# Altium PCB uTCA_MCH_PCB3.pcbdoc (part 15 of 25)
Units mil, origin at the board's own origin, x right, y up, seen from the top; angles counter-clockwise.
Board outline 7110.66 x 2894.12 mil, 12 copper layers (Top Layer, GND1, MidLayer1, PWR1, MidLayer2, GND2, PWR2, MidLayer3, GND3, MidLayer4, PWR3, Bottom Layer), stack 63.15 mil thick; 767 components, 905 nets, 4553 pads, 2832 vias.
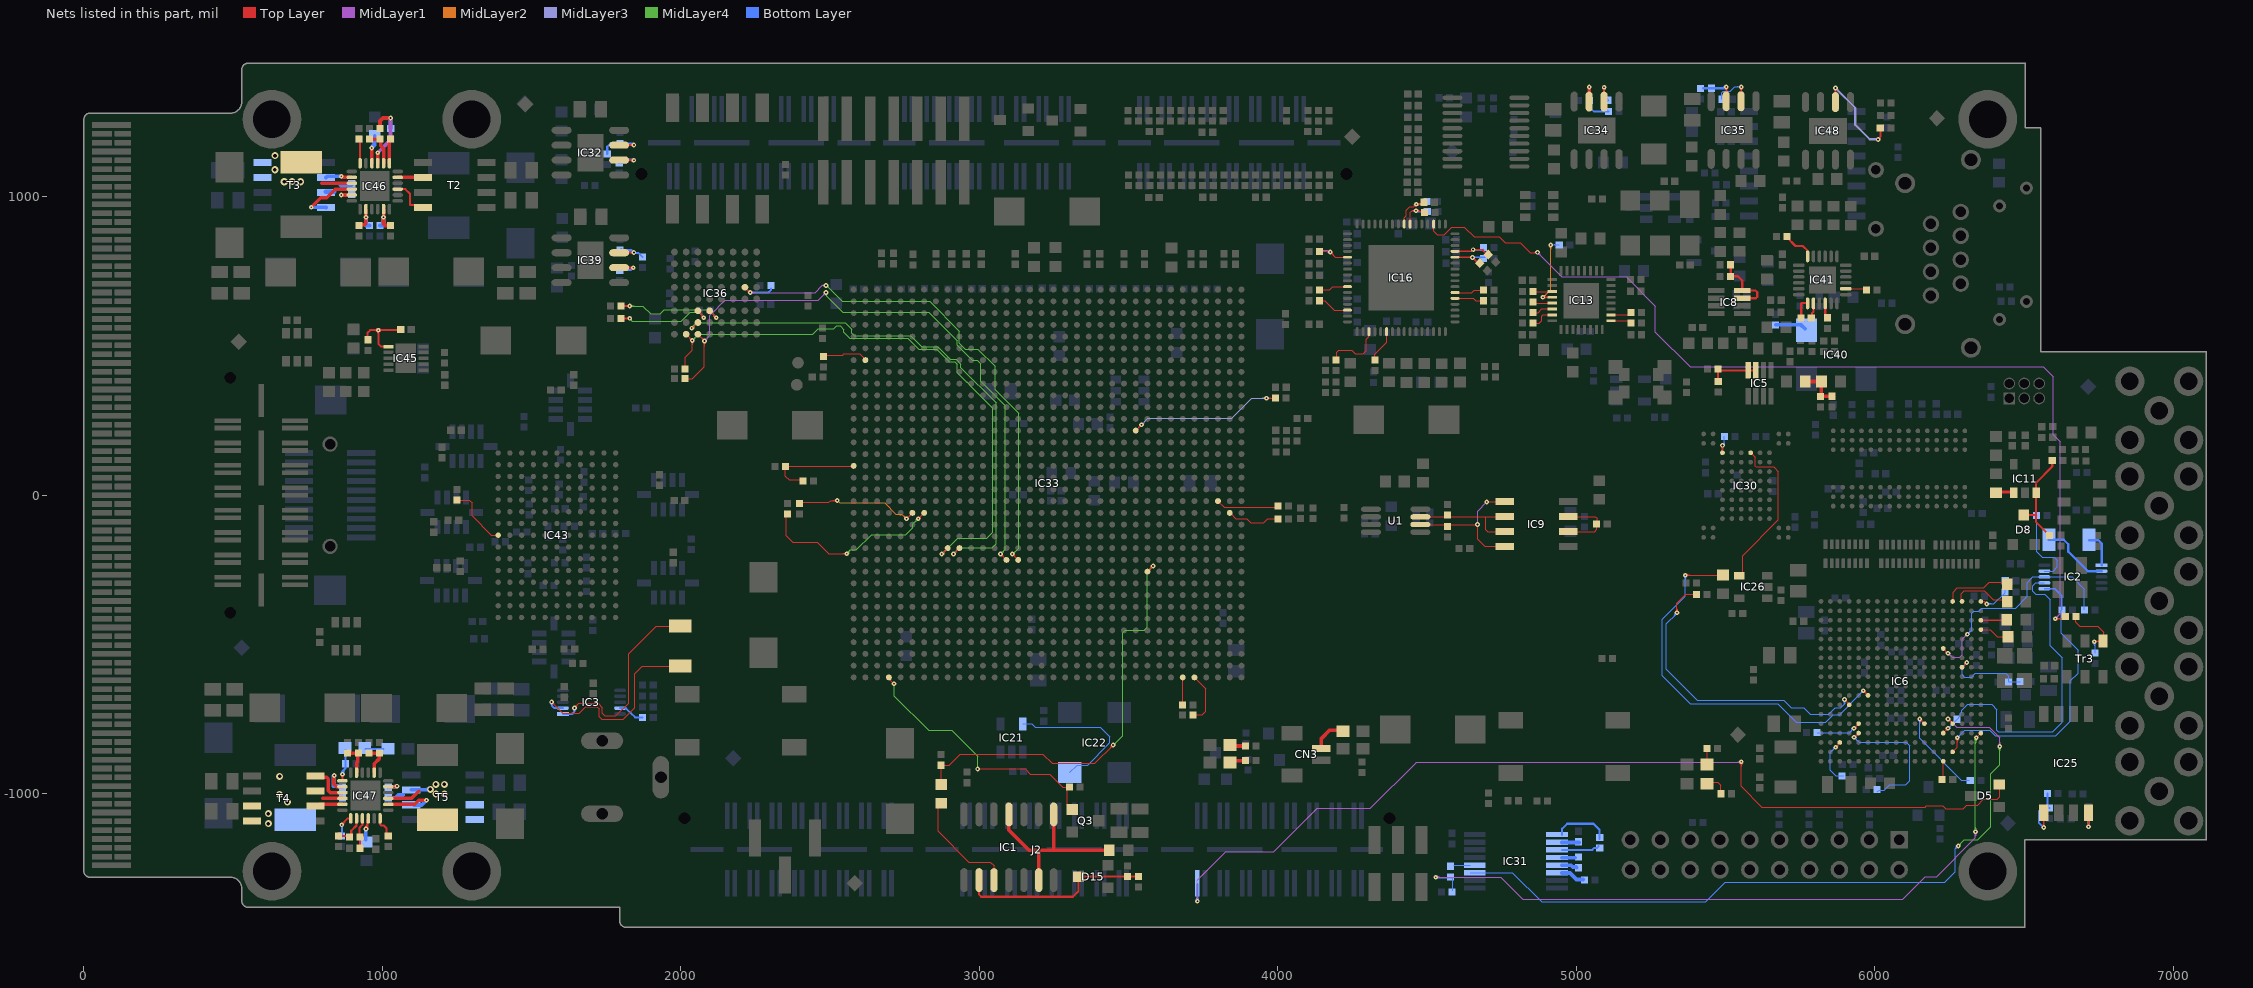
[diagram p25: the nets of this part, all layers, seen from the top]

## Via types
v1: diameter 15.75, hole 5.91, Top Layer to Bottom Layer, tented both sides, 2480 vias
v2: diameter 23.62, hole 11.81, Top Layer to Bottom Layer, tented both sides, 325 vias
v3: diameter 20, hole 10, Top Layer to Bottom Layer, tented both sides, 16 vias
v4: diameter 15.75, hole 7.87, Top Layer to Bottom Layer, tented both sides, 9 vias
v5: diameter 23.62, hole 11.81, Top Layer to Bottom Layer, 1 vias
v6: diameter 15.75, hole 5.91, Top Layer to Bottom Layer, 1 vias

## Nets (pads, with @x,y where several pads share a name; then routed paths per layer and width w, separated by ;. In a path a pad name is that pad's centre, name@x,y a point inside that pad or via, vN(x,y) a via of type N, cw(c..) or ccw(c..) an arc to the next point about the centre after c; other vN are vias at no path point) (continued)
NetC237_2: C237.2 IC46.15 R210.1 | length 269.9
  Top Layer w11.81: IC46.15@984.25,1112.21 v1(984.25,1147.64)
  Top Layer w12.6: R210.1@992.13,1228.35 992.13,1253.94 1001.97,1263.78 v1(1027.56,1263.78)
  MidLayer1 w12.6: v1(984.25,1147.64) 1027.17,1190.55 v1@1027.17,1263.78
  Bottom Layer w12.6: C237.2@1027.56,1228.35 v1(1027.56,1263.78)
NetC238_1: C238.1 IC46.16 | length 126
  Top Layer w11.81: IC46.16@964.57,1112.21 v1(964.57,1163.39)
  Bottom Layer w12.6: v1@963.45,1164.5 ccw(c937,1190.95) C238.1@974.41,1190.95 ; v1(964.57,1163.39) 974.41,1173.23 C238.1@974.41,1204.72
NetC240_1: C240.1 IC31.4 | length 43.3
  Bottom Layer w12.6: IC31.4@4952.2,-1214.21 4977.79,-1214.21 C240.1@4995.5,-1214.21
NetC240_2: C240.2 IC31.5 | length 52.5
  Bottom Layer w12.6: IC31.5@4952.2,-1239.8 4982.21,-1239.8 4987.74,-1245.33 4999.07,-1245.33 C240.2@5001.41,-1247.67
NetC241_2: C241.2 IC31.6 | length 79.8
  Bottom Layer w12.6: IC31.6@4952.2,-1265.39 4978.83,-1265.39 5000.48,-1287.04 C241.2@5023.06,-1287.04
NetC242_2: C242.2 IC31.2 | length 57.1
  Bottom Layer w12.6: IC31.2@4952.2,-1163.03 C242.2@5009.28,-1163.03
NetC243_1: C243.1 IC31.1 | length 191.2
  Bottom Layer w7: IC31.1@4952.2,-1137.44 4952.2,-1117.22 4968.84,-1100.58 5057.19,-1100.58 5078.09,-1121.48 C243.1@5078.09,-1150.99
NetC243_2: C243.2 IC31.3 | length 127.7
  Bottom Layer w7: IC31.3@4952.2,-1188.62 5049.09,-1188.62 5049.17,-1188.69 5052.2,-1188.69 5058.84,-1182.05 5068.37,-1182.05 C243.2@5074.56,-1175.86
NetC245_2: C245.2 IC32.6 | length 131.6
  Top Layer w6.89: IC32.6@1793.31,1122.64 v1@1841.14,1122.64 ; 1830.41,1122.64 cw(c1830.41,1109.94) v1@1839.39,1118.92 ; 1833.25,1122.64 ccw(c1833.25,1131.32) v1@1839.39,1125.18
  Bottom Layer w6.89: C245.2@1793.31,1114.17 1816.93,1114.17 1826.77,1124.02 v1@1842.52,1124.02 ; 1827.08,1124.02 cw(c1827.08,1106.6) v1@1839.39,1118.92
  other v1: 1842.52,1122.05
NetC253_1: C253.1 IC46.23 | length 68.9
  Top Layer w11.81: v1(862.2,1005.9) IC46.23@897.64,1005.91
  Bottom Layer w12.6: v1(862.2,1005.9) C253.1@895.67,1005.9
NetC253_2: C253.2 IC46.21 L13.1 T3.3 T3.7 T3.8 | length 163.6
  Top Layer w11.81: 796.1,1045.28 IC46.21@897.64,1045.28
  Bottom Layer w15.75: T3.3@810.12,1016.56 T3.3@838.54,1016.56 ; 861.55,1039.57 C253.2@895.16,1039.57
  other v2: 671.18,1050.24 725.71,1050.24 697.44,1050.59 639.76,1090.55 640.24,1137.68
NetC261_1: C261.1 IC47.8 | length 135.6
  Top Layer w11.81: 837.2,-947.06 cw(c846.66,-947.06) v1@839.97,-940.37 ; v1@837.2,-940.36 837.2,-967.16 846.46,-976.42 IC47.8@867.44,-976.42
  Bottom Layer w12.6: 836.61,-947.53 cw(c847.14,-947.53) v1@839.7,-940.09 ; v1@836.61,-940.94 836.61,-974.41 C261.1@862.21,-974.41
  other v1: 838.58,-938.98
NetC261_2: C261.2 IC47.10 L14.1 T4.3 T4.7 T4.8 | length 65.9
  Top Layer w11.81: 800.2,-1015.75 IC47.10@866.14,-1015.75
  other v2: 618.11,-1100.39 618.11,-1066.93 682.05,-1027.68 655.12,-1001.97 656.02,-941.69
NetC262_2: C262.2 IC34.6 | length 131.2
  Top Layer w6.89: v1@5089.87,1363.87 cw(c5082.78,1356.78) 5092.8,1356.78 ; IC34.6@5092.8,1318.83 v1@5092.8,1366.8 ; 5092.8,1355.83 cw(c5104.17,1355.83) v1@5096.13,1363.87
  Bottom Layer w6.89: v1@5089.87,1363.87 cw(c5082.31,1356.31) 5093,1356.31 cw(c5103.69,1356.31) v1@5096.13,1363.87 ; v1(5093,1367) 5093,1336.13 C262.2@5106.3,1322.83
NetC265_2: C265.2 IC35.6 | length 177.7
  Top Layer w3.94: v1@5548.22,1363.33 cw(c5539.45,1354.56) 5551.86,1354.56 ; IC35.6@5551.86,1319.87 v1@5551.86,1366.62 ; IC35.6@5551.86,1351.95 cw(c5567.96,1351.95) v1@5556.58,1363.33
  Bottom Layer w3.94: C265.2@5487.88,1326.83 5487.88,1347.68 5492.83,1352.63 5515.26,1352.63 5530.63,1368 5539.33,1368 ; 5538.9,1368 cw(c5538.9,1356.46) v1@5547.83,1363.77 ; v1@5546.65,1369.06 5545.59,1368 5539.33,1368 ; v1@5548.22,1371.69 cw(c5539.33,1380.58) 5539.33,1368
  other v1: 5552.4,1367.51
NetC272_2: C272.2 IC47.15 R233.1 | length 89.6
  Top Layer w6.89: R233.1@923.23,-1136.68 923.23,-1114.17 933.07,-1104.33 IC47.15@933.07,-1082.68 ; C272.2@925.2,-1173.23 R233.1@925.2,-1141.73
NetC273_1: C273.1 IC47.16 | length 111.9
  Top Layer w6.89: v1@941.75,-1114.98 ccw(c919.93,-1093.16) IC47.16@950.79,-1093.16 ; v1@944.88,-1116.14 950.79,-1110.24 ; v1@946.62,-1119.85 ccw(c936.57,-1109.79) 950.79,-1109.79 ; v1@949.12,-1116.84 cw(c955.48,-1114.93) 950.79,-1110.24 ; IC47.16@950.79,-1084.65 950.79,-1110.24
  Bottom Layer w11.81: C273.1@944.79,-1154.13 v1@944.79,-1118.7
  other v1: 944.88,-1118.11
NetC282_2: C282.2 IC48.6 | length 393.7
  Top Layer w6.89: v1@5864.73,1361.37 cw(c5857.17,1353.81) 5867.86,1353.81 cw(c5878.55,1353.81) v1@5870.99,1361.37 ; v1@5867.14,1365.22 v1(5867.86,1364.5) IC48.6@5867.86,1317.19 ; v1@6010.44,1193.29 6018.34,1201.19 ; v1@6015.31,1192.35 cw(c6025.86,1193.68) 6018.34,1201.19 ; C282.2@6018.34,1230.29 6018.34,1201.19
  MidLayer3 w6.89: v1@5867.86,1360.07 cw(c5867.86,1349.38) 5875.42,1356.94 cw(c5882.98,1364.5) v1@5872.29,1364.5 ; v1(5867.86,1364.5) 5934.3,1298.06 5934.3,1241.18 5982.83,1192.65 v1@6008.37,1192.65 ; 5998.18,1192.65 cw(c5998.18,1179.06) v1@6007.79,1188.67 ; 6002.28,1192.65 ccw(c6002.28,1200.44) v1@6007.79,1194.93
  other v1: 6010.92,1191.8
NetC293_1: C293.1 IC47.23 | length 76.3
  Top Layer w11.81: IC47.23@1019.68,-976.38 v1@1049.21,-976.38 ; 1039.71,-976.38 ccw(c1039.71,-964.91) v1@1047.82,-973.02
  Bottom Layer w12.6: C293.1@1019.68,-976.38 v1@1049.21,-976.38 ; 1040.66,-976.38 ccw(c1040.66,-965.86) v1@1048.1,-973.3
  other v1: 1049.21,-974.41
NetC293_2: C293.2 IC47.21 L15.1 T5.3 T5.7 T5.8 | length 234.5
  Top Layer w11.81: IC47.21@1019.68,-1015.75 1097.16,-1015.75 1121.42,-991.5
  Bottom Layer w12.6: C293.2@1019.69,-1013.78 1043.31,-1013.78 1053.15,-1003.94 1068.9,-1003.94 ; T5.3@1096.46,-986.81 v2@1152.16,-986.81 ; 1144.85,-986.81 ccw(c1144.85,-969.34) v2@1157.2,-981.69
  other v2: 1179.61,-1001.38 1207.36,-1001.38 1161.1,-985.59 1178.86,-968.58 1207.36,-968.5
NetC310_2: C310.2 IC39.6 | length 116
  Top Layer w6.89: IC39.6@1793.31,762.4 v1@1841.14,762.4 ; 1828.43,762.4 cw(c1828.43,749.69) v1@1837.42,758.68 ; 1831.28,762.4 ccw(c1831.28,771.08) v1@1837.42,764.94
  Bottom Layer w6.89: C310.2@1795.28,753.94 1832.68,753.94 v1(1840.55,761.81) v1@1842.52,763.78
NetC314_2: C314.2 IC6.V18 R194.2 | length 180.5
  Top Layer w3.94: IC6.V18@6357.01,-357.73 6359.52,-355.22 6366.22,-355.22 ; v1@6369.13,-363.4 ccw(c6359.08,-362.36) 6366.22,-355.22 ; v1@6374.4,-358.13 cw(c6373.36,-348.08) 6366.22,-355.22 ; v1(6375,-364) 6366.22,-355.22
  Bottom Layer w3.94: v1(6375,-364) 6398.95,-364 6436.73,-326.22 R194.2@6436.73,-323.9 6436.73,-286.54 C314.2@6437.01,-286.26 ; v1@6379.18,-368.18 cw(c6389.26,-378.26) 6389.26,-364 cw(c6389.26,-349.74) v1@6379.18,-359.82
NetC318_2: C318.2 C319.1 L19.2 R196.2 | length 152.3
  Top Layer w12.6: L19.2@5766.31,381.1 5766.72,380.69 L19.2@5766.98,380.69 C318.2@5820.06,380.69 ; R196.2@5817.77,331.45 5861.3,331.45 5861.55,331.45 C319.1@5861.87,331.77 ; R196.2@5820.06,333.95 C318.2@5820.06,380.69 ; C318.2@5820.06,386.46 C318.2@5820.06,380.69 ; C318.2@5821.67,380.69 C318.2@5820.06,380.69
NetC327_2: C327.2 IC16.53 R247.1 | length 212.6
  Top Layer w3.94: C327.2@4139.76,816.93 v1@4175.2,816.93 ; 4156.19,816.93 cw(c4156.19,795.95) v1@4171.02,810.78 ; v1@4171.02,819.14 cw(c4165.69,824.47) 4165.69,816.93 cw(c4165.69,805.46) v1@4173.8,813.57 ; v1@4175.2,809.06 cw(c4175.2,794.8) 4185.28,804.88 cw(c4195.36,814.96) v1@4181.1,814.96 ; v1(4175.2,814.96) 4192.91,797.24 IC16.53@4233.27,797.24
  Bottom Layer w6.89: R247.1@4137.8,818.9 4171.26,818.9 v1(4175.2,814.96) ; 4155,818.9 cw(c4155,794.76) v1@4172.07,811.83
NetC328_1: C328.1 IC13.12 | length 329.5
  Top Layer w3.94: v1(4887.8,663.39) 4912.69,663.39 IC13.12@4913.92,662.16 ; v1@4891.97,659.21 cw(c4902.05,649.13) 4902.05,663.39 cw(c4902.05,677.64) v1@4891.97,667.56
  MidLayer2 w3.94: v1@4887.8,669.29 ccw(c4887.8,686.28) 4899.81,674.27 ; v1@4889.37,663.83 4913.83,688.29 v1(4913.83,838.56) ; v1@4893.7,663.39 cw(c4905.23,663.39) 4897.08,671.54 ; v1@4909.65,834.38 cw(c4899.57,824.3) 4913.83,824.3 cw(c4928.09,824.3) v1@4918.01,834.38
  Bottom Layer w3.94: v1(4913.83,838.56) 4913.88,838.61 C328.1@4942.19,838.61 ; v1@4918.01,834.38 cw(c4928.21,824.18) 4928.21,838.61 ; v1@4918.01,842.74 ccw(c4927.97,852.7) 4927.97,838.61
NetC395_2: C395.2 IC45.1 R212.2 R213.1 | length 365.9
  Top Layer w6.89: R213.1@950.79,513.78 950.79,545.28 958.66,553.15 v1(986.22,553.15) ; v1@983.09,556.28 cw(c975.53,563.84) 975.53,553.15 cw(c975.53,542.46) 983.09,550.02 cw(c975.53,542.46) 986.22,542.46 cw(c996.91,542.46) 989.35,550.02 cw(c996.91,542.46) 996.91,553.15 cw(c996.91,563.84) v1@989.35,556.28 ; IC45.1@1019.69,498.03 996.06,498.03 986.22,507.87 v1(986.22,553.15) ; C395.2@1059.06,553.15 v1(986.22,553.15)
  Bottom Layer w6.89: v1(986.22,553.15) R212.2@1059.06,553.15 ; v1@989.35,550.02 cw(c996.91,542.46) 996.91,553.15 cw(c996.91,563.84) v1@989.35,556.28
NetC422_1: C422.1 IC16.35 | length 3343.1
  Top Layer w3.94: IC16.35@4521.65,908.46 4521.65,885.08 4533.63,873.1 4556.66,873.1 4582.18,898.62 4624.74,898.62 4657.16,866.2 4740.9,866.2 4761.82,845.28 4812.48,845.28 4845.73,812.03 v1@4873.53,812.03 ; 4851.97,812.03 ccw(c4851.97,831.68) v1@4865.86,817.79 ; 4859.6,812.03 cw(c4859.6,803.17) v1@4865.86,809.43 ; 4861.47,812.03 ccw(c4861.47,822.18) v1@4868.65,815 ; v1@6603.05,-413.83 6630.86,-413.83 C422.1@6638.14,-406.55 ; v1@6608.59,-418.29 cw(c6619.34,-429.04) 6619.34,-413.83 ; v1@6608.59,-409.93 ccw(c6617.99,-400.53) 6617.99,-413.83
  MidLayer1 w3.94: v1@4870.04,807.7 cw(c4870.04,795.31) 4878.81,804.07 ; v1(4870.04,813.61) 4870.04,812.84 4951.27,731.61 5166.8,731.61 5264.81,633.6 5264.81,546.38 5381.36,429.83 6564.29,429.83 6597.32,396.8 6597.32,202.97 6620.95,179.34 6620.95,-396.67 v1@6602.53,-415.09 ; v1@4875.95,813.61 ccw(c4892.06,813.61) 4880.67,802.21 ; v1@6604.41,-408.2 ccw(c6604.41,-396.12) 6612.95,-404.67 ; v1@6610.32,-414.11 cw(c6626.75,-414.11) 6615.13,-402.49
  other v1: 6604.41,-414.11
NetC422_2: C422.2 R65.2 Tr3.6 | length 276.8
  Top Layer w3.94: C422.2@6673.58,-406.55 6673.58,-425.59 6686.98,-438.99 6747.42,-438.99 6767.35,-458.92 Tr3.6@6767.35,-481.13 ; v1@6736.73,-491.82 cw(c6745.16,-500.25) 6745.16,-488.33 ; v1@6739.38,-490.66 6741.71,-488.33 Tr3.6@6763.78,-488.33 ; v1@6739.52,-494.61 cw(c6754.66,-509.75) Tr3.6@6754.66,-488.33 ; v1@6739.52,-486.25 ccw(c6744.53,-481.24) 6744.53,-488.33 ; Tr3.6@6769.75,-485.01 Tr3.6@6771.18,-486.44
  Bottom Layer w3.94: v1@6731.16,-494.61 cw(c6713.72,-512.05) 6738.39,-512.05 ; v1@6733.95,-491.82 cw(c6723.22,-502.55) 6738.39,-502.55 ; R65.2@6737.4,-528.18 6738.39,-527.19 v1@6738.39,-491.07
  other v1: 6735.34,-490.43
NetCN3_2: CN3.2 D2.1 | length 123.6
  Top Layer w12.6: CN3.2@4145.67,-848.43 4145.67,-814.96 4173.23,-787.4 D2.1@4224.41,-787.4
NetD3_1: D3.1 IC47.7 R243.1 | length 170.1
  Top Layer w6.89: v1@863.01,-938.17 cw(c855.45,-945.73) 866.14,-945.73 cw(c876.84,-945.73) v1@869.27,-938.17 ; IC47.7@866.14,-956.18 v1(866.14,-935.04)
  Bottom Layer w6.89: v1@863.21,-931.72 ccw(c857.42,-925.2) 866.14,-925.2 ; v1@863.74,-935.56 cw(c875.73,-932.96) 867.05,-924.29 ; v1(866.14,-935.04) 866.14,-925.2 ; v1@869.08,-931.72 cw(c874.86,-925.2) 866.14,-925.2 ; v1@870.47,-934.1 cw(c890.41,-929.78) 875.98,-915.35 ; D3.1@875.98,-854.33 R243.1@875.98,-899.61 875.98,-915.35 ; 866.14,-925.2 875.98,-915.35
NetD3_2: D3.2 D4.1 | length 61
  Bottom Layer w6.89: D3.2@942.91,-850.39 D4.1@1003.94,-850.39
NetD5_2: D5.2 J2.31 | length 3255.7
  Top Layer w3.94: v1@5548.35,-897.17 cw(c5538.27,-907.25) 5552.53,-907.25 cw(c5566.79,-907.25) v1@5556.71,-897.17 ; v1(5552.53,-892.99) 5552.53,-975.33 5621.64,-1044.44 6168.53,-1044.44 6172.17,-1040.8 6226.87,-1040.8 6236.72,-1050.65 6283.98,-1050.65 6284.07,-1050.55 6296.21,-1050.55 6307.58,-1039.18 6343.95,-1039.18 6363.91,-1019.22 6410.04,-1019.22 6418.97,-1010.29 D5.2@6418.97,-964.3
  MidLayer1 w3.94: v1@3726.14,-1356.06 ccw(c3716.06,-1345.98) 3730.31,-1345.98 ccw(c3744.57,-1345.98) v1@3734.49,-1356.06 ; v1(3730.31,-1360.24) 3730.31,-1289.37 3824.8,-1194.88 3986.12,-1194.88 4131.79,-1049.21 4309.17,-1049.21 4462.8,-895.59 4462.8,-895.47 4463.27,-895 v1@5554.56,-895 ; 5533.42,-895 ccw(c5533.42,-873.88) v1@5548.35,-888.81 ; 5542.93,-895 ccw(c5542.93,-883.39) v1@5551.14,-891.6 ; 5543.13,-895 cw(c5543.13,-902.39) v1@5548.35,-897.17
  Bottom Layer w6.89: v1@3727.18,-1357.1 ccw(c3719.43,-1349.35) 3730.39,-1349.35 ; v1@3730.39,-1360.16 J2.31@3730.39,-1301.77 ; 3730.39,-1349.73 ccw(c3740.82,-1349.73) v1@3733.45,-1357.1
NetD8_3: D8.3 IC11.3 R33.2 R35.1 | length 332
  Top Layer w6.89: D8.3@6498.72,-66.3 6539.73,-66.3 ; R33.2@6584.88,-134.37 6540.43,-89.92 IC11.3@6540.43,8.82 6540.43,42.43 6594.21,96.21 R35.1@6594.21,115.91
NetD11_1: D11.1 R160.1 | length 80.3
  Top Layer w3.94: D11.1@5435.95,-962.24 5474.24,-962.24 5484.13,-972.13 R160.1@5484.13,-1000.11
NetD12_1: D12.1 R161.1 | length 48.8
  Top Layer w3.94: D12.1@5437.64,-898.11 5437.64,-849.72 R161.1@5437.95,-849.41
NetD13_1: D13.1 R162.1 | length 47.2
  Top Layer w12.6: D13.1@3840.55,-889.76 R162.1@3887.79,-889.76
NetD14_1: D14.1 R163.1 | length 50.8
  Top Layer w12.6: D14.1@3841.25,-840.11 3891.07,-840.11 R163.1@3891.73,-839.45
NetD15_3: D15.3 IC1.2 R42.1 R256.1 | length 645.1
  Top Layer w6.89: IC1.2@2999.02,-1289.25 2999.02,-1338.02 3006,-1345 3313,-1345 3332.32,-1325.68 D15.3@3332.32,-1277.5 3333.02,-1276.81 R42.1@3496.5,-1276.81 3533.37,-1276.81 R256.1@3535.2,-1278.64
NetIC1_3: IC1.3 R40.1 | length 380.9
  Top Layer w4: R40.1@2871.97,-1032.13 2862,-1042.1 2862,-1126 2965,-1229 3036.58,-1229 3041.86,-1234.28 3042.28,-1234.28 3049.02,-1241.02 IC1.3@3049.02,-1289.25
NetIC1_6: IC1.6 IC1.8 IC1.11 R41.1 | length 648.1
  Top Layer w12: IC1.11@3099.02,-1069.25 3099.02,-1122.76 3166.06,-1189.8 3199.49,-1189.8 3199.02,-1190.27 IC1.6@3199.02,-1289.25 ; 3192.34,-1189.69 3250.34,-1189.69 ; IC1.8@3249.02,-1069.25 3249.02,-1188.37 3250.34,-1189.69 ; 3250.48,-1189.83 3250.34,-1189.69 ; R41.1@3434.84,-1182.32 3427.48,-1189.69 3250.34,-1189.69
NetIC2_1: IC2.1 X3.2 | length 118.5
  Bottom Layer w8: X3.2@6718.57,-150.81 6749,-150.81 6759.96,-161.77 IC2.1@6759.96,-234.33
NetIC2_2: IC2.2 X3.1 | length 235.3
  Bottom Layer w8: X3.1@6582.83,-148.94 6632.94,-148.94 6648,-164 6648,-189 6713.03,-254.03 IC2.2@6759.96,-254.03
NetIC2_6: IC2.6 IC6.R2 R14.1 | length 1034.9
  Top Layer w3.94: IC6.R2@6262.52,-857.73 6276.3,-843.95 v1(6276.3,-812.46) ; v1@6272.12,-816.63 cw(c6262.04,-826.71) 6276.3,-826.71 cw(c6290.56,-826.71) v1@6280.48,-816.63
  Bottom Layer w3.94: v1(6276.3,-812.46) 6300.76,-788 6385,-788 6403,-806 6606,-806 6655.22,-756.78 6655.22,-621.27 6680.93,-595.56 6680.93,-518.56 6625,-462.63 6625,-385.32 R14.1@6626.38,-383.94 ; v1@6276.3,-806.55 ccw(c6276.3,-792.29) 6286.38,-802.38 ccw(c6296.46,-812.46) v1@6282.2,-812.46
  Bottom Layer w4.92: IC2.6@6567.96,-313.13 6602.13,-313.13 6626.38,-337.38 R14.1@6626.38,-383.94
NetIC2_7: IC2.7 IC6.P4 R15.1 | length 1144
  Top Layer w3.94: IC6.P4@6229.06,-796.71 v1(6244.8,-780.96) ; v1@6238.9,-780.96 cw(c6224.64,-780.96) 6234.72,-791.04 cw(c6244.8,-801.12) v1@6244.8,-786.87
  Bottom Layer w3.94: v1(6244.8,-780.96) 6245.18,-780.96 R15.1@6275.67,-750.47 6286.59,-739.55 6286.59,-730.69 6290.53,-726.75 6290.53,-721.06 6310.59,-701 6392,-701 6409,-718 6409,-788 6414,-793 6596,-793 6627.68,-761.32 6627.68,-543.98 6588.1,-504.4 6588.1,-350.24 6569.12,-331.26 6538.26,-331.26 6529,-322 6529,-303 6538.57,-293.43 IC2.7@6567.96,-293.43 ; v1@6244.8,-775.06 ccw(c6244.8,-759.89) 6255.53,-770.61 ; v1@6250.71,-780.96 cw(c6264.05,-780.96) 6254.62,-771.52
NetIC2_8: IC2.8 IC6.P13 R13.1 | length 862.2
  Top Layer w3.94: IC6.P13@6229.06,-513.24 6244.81,-529 v1(6245,-529) ; IC6.P13@6234.6,-518.79 ccw(c6245,-508.38) v1@6245,-523.09 ; 6235.05,-519.24 cw(c6225.29,-529) v1@6239.09,-529
  MidLayer1 w3.94: v1@6245,-534.91 cw(c6245,-549.16) 6255.08,-539.08 cw(c6265.16,-529) v1@6250.91,-529 ; v1(6245,-529) 6259,-543 6285,-543 6293,-535 6293,-483 v1(6310,-466) ; v1@6304.09,-466 cw(c6289.84,-466) 6299.92,-476.08 cw(c6310,-486.16) v1@6310,-471.91
  Bottom Layer w3.94: v1(6310,-466) 6324,-452 6324,-396 6332,-388 6348,-388 6358.22,-377.78 6471.22,-377.78 6510.5,-338.5 6510.5,-292.5 6529.27,-273.73 IC2.8@6567.96,-273.73 6660.73,-273.73 6701.61,-314.61 R13.1@6701.61,-383.7 ; v1@6310,-460.09 ccw(c6310,-445.84) 6320.08,-455.92 ccw(c6330.16,-466) v1@6315.91,-466
NetIC2_9: IC2.9 R12.1 | length 274.2
  Bottom Layer w3.94: R12.1@6540.79,-67.17 6542.72,-69.09 6542.72,-189.72 6561,-208 6601,-208 6611,-218 6611,-240 6596.97,-254.03 IC2.9@6567.96,-254.03
NetIC3_1: IC3.1 X4.2 | length 743.1
  Top Layer w3.94: v1@1643.31,-706.69 ccw(c1643.31,-692.44) 1653.39,-702.52 ccw(c1663.47,-712.6) v1@1649.21,-712.6 ; v1@1646.46,-714.96 1646.46,-709.45 1658.46,-697.44 1722.59,-697.44 1736.71,-711.56 1736.71,-730.81 1745.08,-739.17 1781.89,-739.17 1824.76,-696.3 1824.76,-531.24 1917.46,-438.54 X4.2@1998.35,-438.54 ; 1824.8,-679.8 1824.8,-642
  Bottom Layer w6.89: IC3.1@1604.49,-732.72 1635.31,-732.72 1643.07,-724.96 v1@1643.07,-712.8 ; v1@1640.18,-715.73 cw(c1633.18,-722.72) 1643.07,-722.72 ; 1643.07,-723.86 cw(c1654.57,-723.86) v1@1646.44,-715.73
  other v1: 1643.31,-712.6
NetIC3_2: IC3.2 X4.1 | length 715.3
  Top Layer w3.94: v1@1566.93,-698.82 cw(c1566.93,-713.08) 1577.01,-702.99 cw(c1587.09,-692.91) v1@1572.83,-692.91 ; v1(1566.93,-692.91) 1604.33,-730.32 1659.45,-730.32 1669.7,-720.06 ; 1669.78,-720.06 1681.57,-708.27 1716.93,-708.27 ; 1718.5,-708.66 1725.89,-716.04 1725.89,-741.63 1734.25,-750 1807,-750 1845,-712 1845,-598 1870.6,-572.4 X4.1@1998.35,-572.4
  Bottom Layer w6.89: v1@1563.98,-696.22 cw(c1556.01,-705.16) 1567.99,-705.16 ; 1567.99,-701.04 cw(c1575.06,-701.04) v1@1570.06,-696.05 ; v1@1567.99,-694.49 1567.99,-705.12 1575.89,-713.02 IC3.2@1604.49,-713.02
NetIC3_9: IC3.9 R16.1 | length 92.9
  Bottom Layer w6.89: IC3.9@1796.49,-713.02 1815.54,-713.02 1833.9,-731.38 ; 1830.71,-728.35 1846.46,-744.09 R16.1@1872.05,-744.09
NetIC5_3: IC5.3 IC5.4 R20.1 R139.2 | length 176.4
  Top Layer w6.89: R20.1@5474.9,422.64 5474.9,418.31 5474.9,378.18 R139.2@5475.95,377.13
  Top Layer w7: R20.1@5470.51,418.31 5474.9,418.31 IC5.4@5575.39,418.31 IC5.3@5600.99,418.31
NetIC6_C3: IC6.C3 R158.1 | length 203.7
  Top Layer w3.94: v1(5868.81,-843.95) 5882.6,-830.16 IC6.C3@5882.6,-828.2 ; v1@5868.81,-838.05 ccw(c5868.81,-823.79) 5878.89,-833.87 ccw(c5888.97,-843.95) v1@5874.71,-843.95
  Bottom Layer w3.94: v1@5862.9,-843.95 cw(c5848.64,-843.95) 5858.73,-854.03 cw(c5868.81,-864.11) v1@5868.81,-849.86 ; v1(5868.81,-843.95) 5851,-861.76 5851,-922 5869.41,-940.41 R158.1@5895.39,-940.41
NetIC6_D7: IC6.D7 R179.2 | length 1115.5
  Top Layer w3.94: v1@5332.82,-389.82 ccw(c5322.74,-379.74) 5337,-379.74 ccw(c5351.26,-379.74) v1@5341.18,-389.82 ; v1@5337.37,-394.37 v1(5337,-394) 5337,-361 5366.15,-331.85 R179.2@5402.8,-331.85 ; v1@5898.35,-690.41 cw(c5898.35,-704.67) 5908.43,-694.59 cw(c5918.51,-684.5) v1@5904.25,-684.5 ; v1(5898.35,-684.5) 5914.09,-700.25 IC6.D7@5914.09,-702.22
  Bottom Layer w3.94: 5326.01,-406.27 ccw(c5313.74,-394) v1@5331.09,-394 ; 5329.11,-403.17 cw(c5337,-411.06) v1@5337,-399.91 ; v1@5337.14,-395.14 5301.18,-431.1 5301.18,-582.68 5404.93,-686.43 5670.3,-686.43 5670.47,-686.26 5694.71,-686.26 5719.64,-711.19 5761.18,-711.19 5783.25,-733.26 5845.98,-733.26 5868.05,-711.19 5885.81,-711.19 5898.35,-698.65 ; v1@5894.19,-688.7 cw(c5884.35,-698.65) 5898.35,-698.65 ; v1(5898.35,-684.5) 5898.35,-698.65 ; v1@5902.5,-688.7 ccw(c5912.34,-698.65) 5898.35,-698.65
NetIC6_E4: IC6.E4 R2.1 | length 510.9
  Top Layer w3.94: v1@5929.83,-808.52 ccw(c5929.83,-798.98) 5936.57,-805.72 ; v1@5929.83,-804.58 ccw(c5929.83,-785.54) IC6.E4@5943.3,-799 ; v1@5931.81,-810.49 IC6.E4@5945.59,-796.71 ; v1@5935.74,-810.49 cw(c5945.21,-810.49) 5938.51,-803.79
  Bottom Layer w3.94: v1@5929.83,-816.39 cw(c5929.83,-830.65) 5939.91,-820.57 cw(c5949.99,-810.49) v1@5935.74,-810.49 ; v1(5929.83,-810.49) 5947.55,-828.2 6105.04,-828.2 6116.85,-840.02 6116.85,-956.16 6103.07,-969.94 6049.92,-969.94 6032.2,-987.65 6014.49,-987.65 R2.1@6008.58,-993.56
NetIC6_E5: IC6.E5 R6.2 | length 195.9
  Top Layer w3.94: v1(5929.83,-780.96) IC6.E5@5945.59,-765.21 ; v1@5929.83,-775.05 ccw(c5929.83,-760.76) 5939.94,-770.87 ; v1@5935.74,-780.96 cw(c5949.96,-780.96) 5939.9,-770.9
  Bottom Layer w3.94: R6.2@5806.85,-795.04 5915.75,-795.04 v1(5929.83,-780.96) ; v1@5923.93,-780.96 cw(c5909.67,-780.96) 5919.75,-791.04 cw(c5929.83,-801.12) v1@5929.83,-786.86
NetIC6_F8: IC6.F8 R177.2 | length 1389.7
  Top Layer w3.94: v1(5365,-268) 5485.43,-268 R177.2@5491.02,-262.4 ; v1@5369.18,-272.18 cw(c5379.26,-282.26) 5379.26,-268 cw(c5379.26,-253.74) v1@5369.18,-263.82 ; v1@5961.34,-660.88 cw(c5961.34,-675.14) 5971.42,-665.06 cw(c5981.5,-654.98) v1@5967.24,-654.98 ; v1(5961.34,-654.98) IC6.F8@5977.09,-670.72
  Bottom Layer w3.94: v1@5360.82,-272.18 cw(c5350.74,-282.26) 5365,-282.26 cw(c5379.26,-282.26) v1@5369.18,-272.18 ; v1(5365,-268) 5365,-339 5288.39,-415.61 5288.39,-605.32 5381.48,-698.41 5674.66,-698.41 5736.14,-759.89 5835.28,-759.89 5860.55,-734.62 5881.69,-734.62 v1(5961.34,-654.98) ; v1@5955.43,-654.98 cw(c5941.18,-654.98) 5951.26,-665.06 cw(c5961.34,-675.14) v1@5961.34,-660.88
NetIC6_M5: IC6.M5 R142.1 | length 355.3
  Top Layer w3.94: v1@6150.31,-755.37 cw(c6150.31,-769.63) 6160.4,-759.55 cw(c6170.48,-749.46) v1@6156.22,-749.46 ; v1(6150.31,-749.46) IC6.M5@6166.06,-765.21